# Altium PCB JTAG批量下载板-V1.6-ASCII.PcbDoc (part 4 of 14)
Units mil, origin at the board's own origin, x right, y up, seen from the top; angles counter-clockwise.
Board outline 7947.6 x 7007.76 mil, 2 copper layers (Top Layer, Bottom Layer); 207 components, 340 nets, 1329 pads, 792 vias.
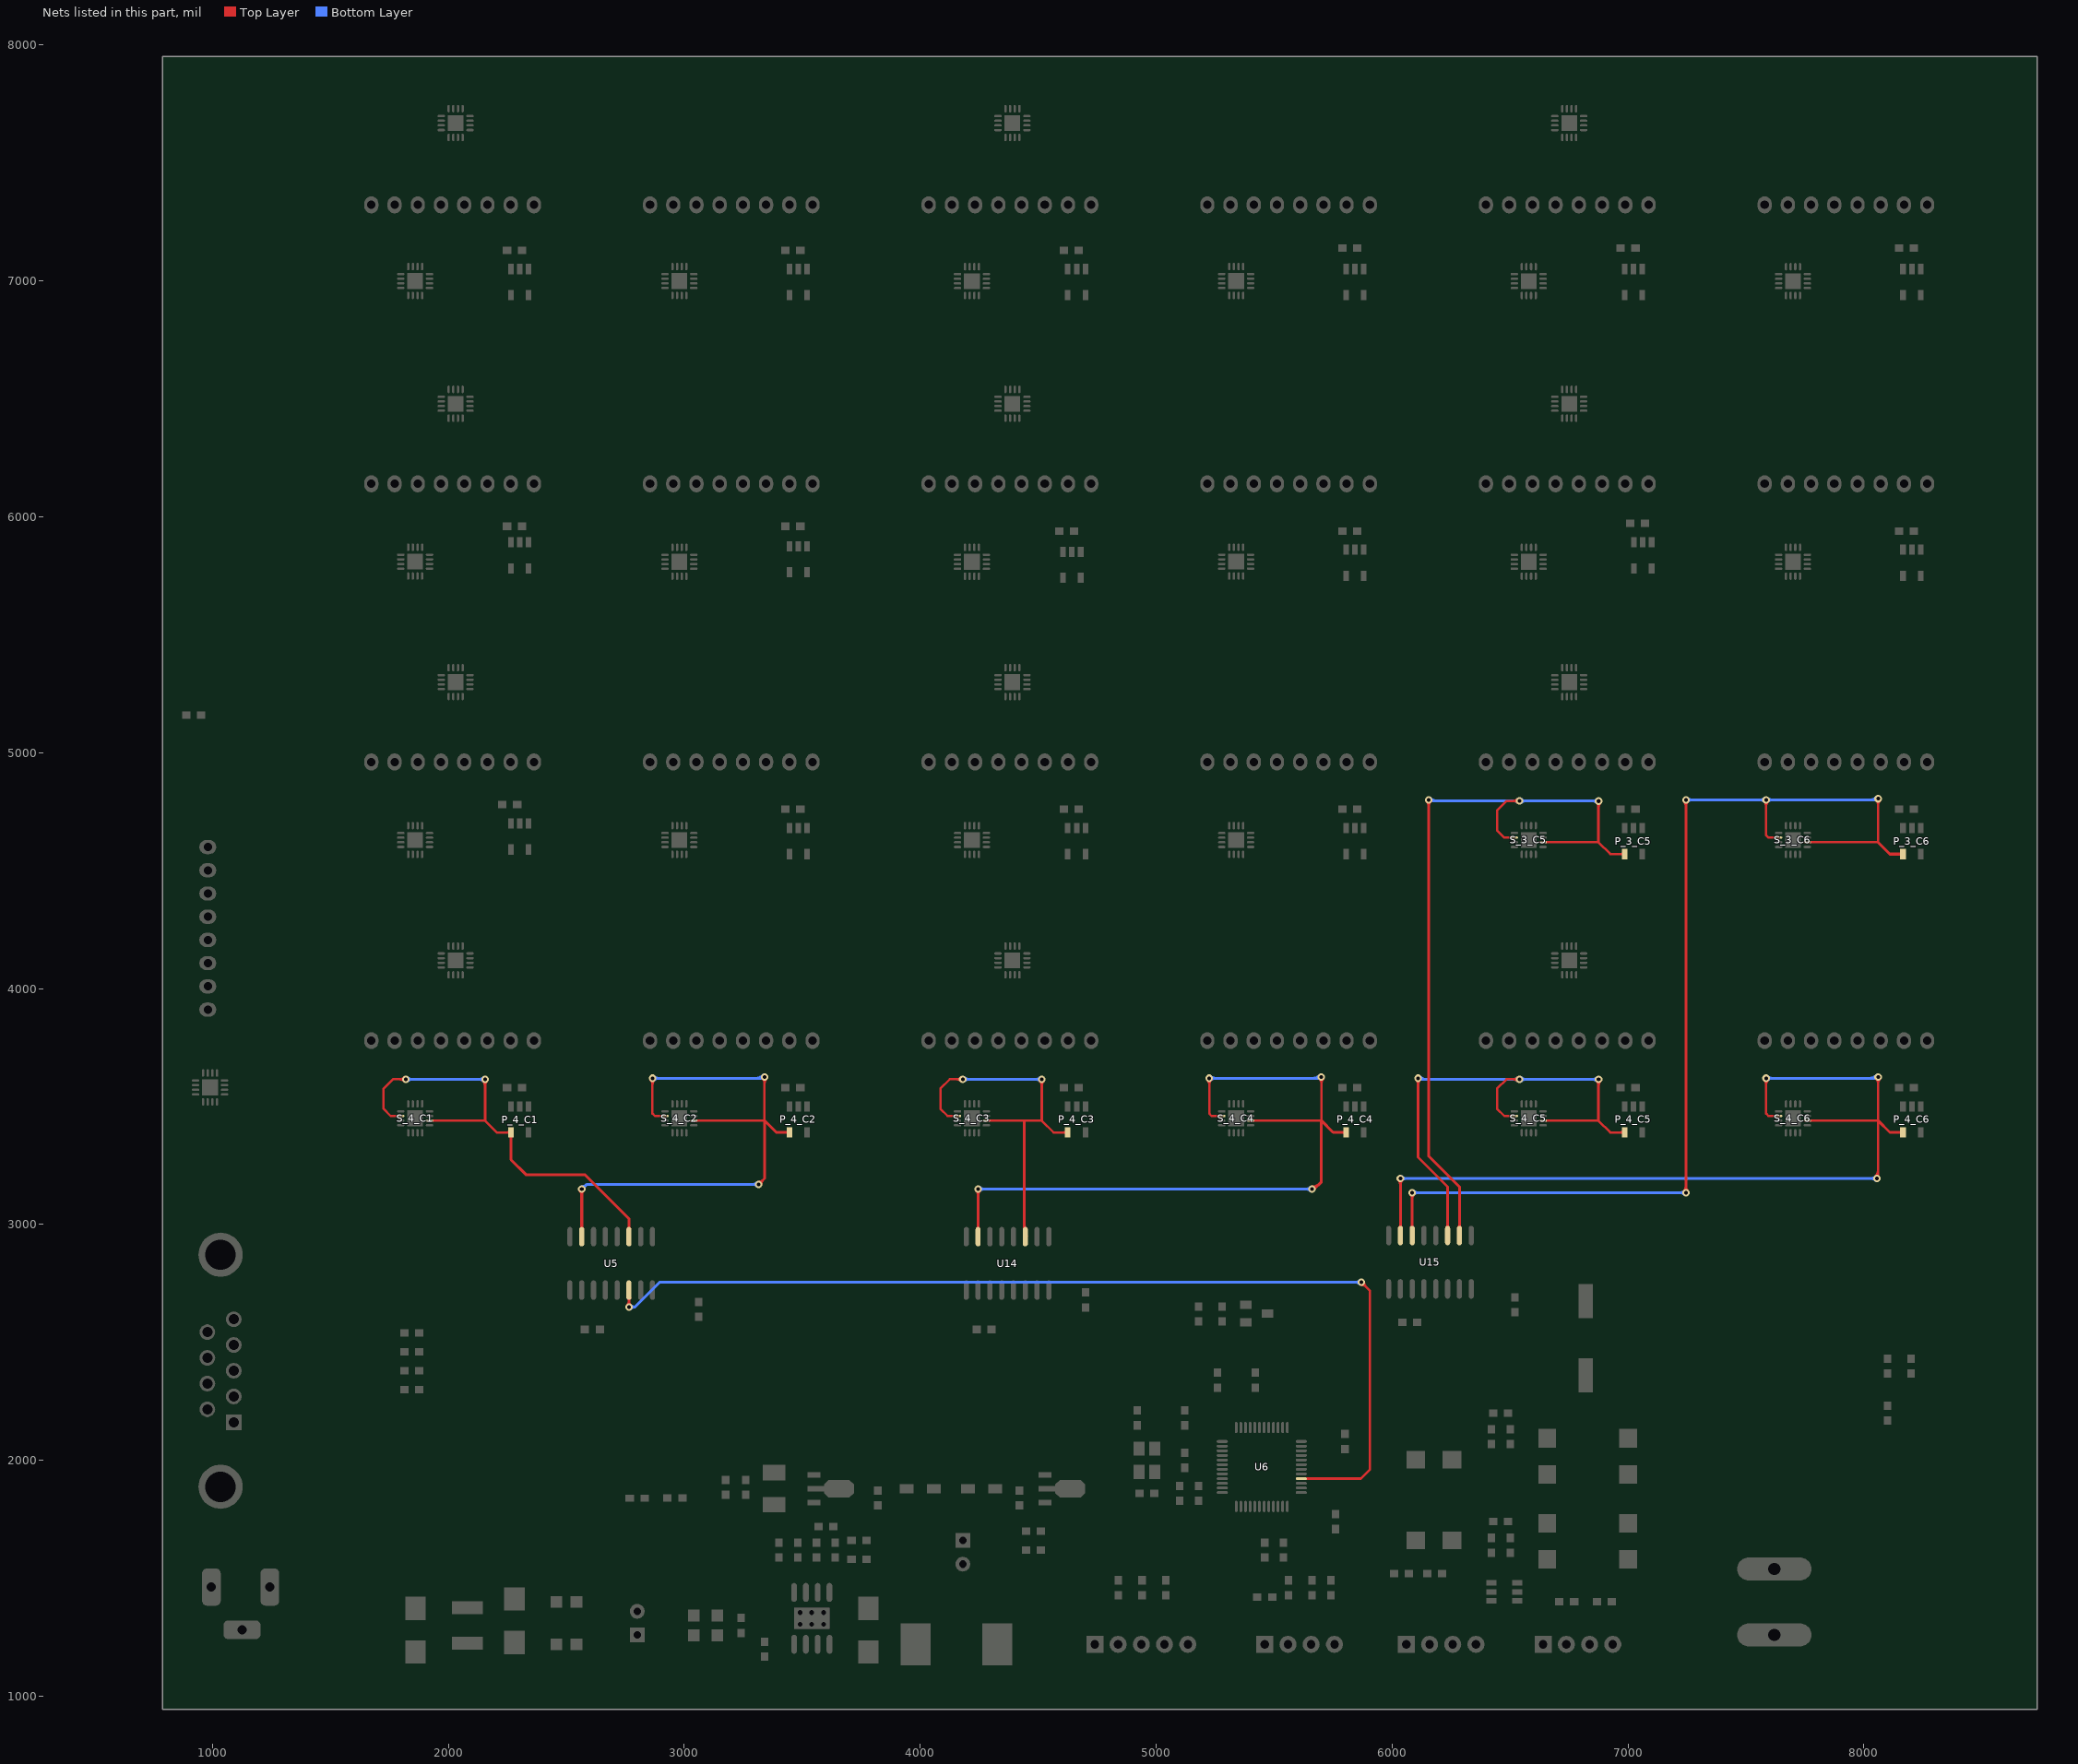
[diagram p4: the nets of this part, all layers, seen from the top]

## Via types
v1: diameter 32, hole 16, Top Layer to Bottom Layer, 721 vias
v2: diameter 50, hole 28, Top Layer to Bottom Layer, 45 vias
v3: diameter 40, hole 20, Top Layer to Bottom Layer, 26 vias

## Nets (pads, with @x,y where several pads share a name; then routed paths per layer and width w, separated by ;. In a path a pad name is that pad's centre, name@x,y a point inside that pad or via, vN(x,y) a via of type N, cw(c..) or ccw(c..) an arc to the next point about the centre after c; other vN are vias at no path point) (continued)
EN_3_C5: P_3_C5.4 S_3_C5.2 S_3_C5.10 U15.2 | length 4083.7
  Top Layer w10: S_3_C5.10@6517.95,4639.87 6475.63,4639.92 6445,4670.55 6445,4755.55 6485,4795.55 v1(6540,4795.55) ; S_3_C5.2@6640,4620.19 6874.76,4620.24 6924.69,4570.31 P_3_C5.4@6985.2,4570.31 ; 6513.44,4795.55 cw(c6513.44,4768.99) 6532.22,4787.77 ccw(c6513.44,4768.99) 6513.44,4795.55 ; 6513.44,4795.55 ccw(c6513.44,4822.11) 6532.22,4803.33 cw(c6513.44,4822.11) 6513.44,4795.55 ; 6968.75,4570.31 cw(c6968.75,4553.87) 6980.38,4565.5 ccw(c6968.75,4553.87) 6968.75,4570.31 ; 6968.75,4570.31 ccw(c6968.75,4586.76) 6980.38,4575.13 cw(c6968.75,4586.76) 6968.75,4570.31
  Top Layer w12: v1(6155,4800) 6155,3290 6285,3160 U15.2@6285,2945 ; 6875,4620.47 v1(6875,4795) ; 6155,4775.86 cw(c6179.14,4775.86) 6162.07,4792.93 ccw(c6179.14,4775.86) 6155,4775.86 ; 6155,4775.86 ccw(c6130.86,4775.86) 6147.93,4792.93 cw(c6130.86,4775.86) 6155,4775.86 ; U15.2@6281.59,2987.11 ccw(c6273.35,2995.35) 6285,2995.35 ; U15.2@6281.59,2987.11 ccw(c6273.35,2995.35) 6285,2995.35 ; U15.2@6281.59,2987.11 ccw(c6273.35,2995.35) 6285,2995.35 ; U15.2@6281.59,2987.11 ccw(c6273.35,2995.35) 6285,2995.35 ; U15.2@6281.59,2987.11 ccw(c6273.35,2995.35) 6285,2995.35 ; 6285,2995.35 ccw(c6296.65,2995.35) U15.2@6288.41,2987.11 ; 6285,2995.35 ccw(c6296.65,2995.35) U15.2@6288.41,2987.11 ; 6285,2995.35 ccw(c6296.65,2995.35) U15.2@6288.41,2987.11 ; 6285,2995.35 ccw(c6296.65,2995.35) U15.2@6288.41,2987.11 ; 6285,2995.35 ccw(c6296.65,2995.35) U15.2@6288.41,2987.11 ; 6875,4770.86 cw(c6899.14,4770.86) 6882.07,4787.93 ccw(c6899.14,4770.86) 6875,4770.86 ; 6875,4770.86 ccw(c6850.86,4770.86) 6867.93,4787.93 cw(c6850.86,4770.86) 6875,4770.86
  Bottom Layer w12: v1@6159.45,4795.55 v1@6875,4795.55 ; v1@6162.07,4807.07 ccw(c6189.88,4834.88) 6189.88,4795.55 ; 6515.86,4795.55 cw(c6515.86,4771.41) 6532.93,4788.48 ccw(c6515.86,4771.41) 6515.86,4795.55 ; 6515.86,4795.55 ccw(c6515.86,4819.69) 6532.93,4802.62 cw(c6515.86,4819.69) 6515.86,4795.55 ; 6564.14,4795.55 cw(c6564.14,4819.69) 6547.07,4802.62 ccw(c6564.14,4819.69) 6564.14,4795.55 ; 6564.14,4795.55 ccw(c6564.14,4771.41) 6547.07,4788.48 cw(c6564.14,4771.41) 6564.14,4795.55 ; 6849.53,4795.55 cw(c6849.53,4769.53) 6867.93,4787.93 ccw(c6849.53,4769.53) 6849.53,4795.55 ; 6852.19,4795.55 ccw(c6852.19,4817.81) 6867.93,4802.07 cw(c6852.19,4817.81) 6852.19,4795.55
EN_3_C6: P_3_C6.4 S_3_C6.2 S_3_C6.10 U15.6 | length 5769.2
  Top Layer w10: v1(7585,4800) 7585,4650 7595.08,4639.92 S_3_C6.10@7637.95,4639.87 ; S_3_C6.2@7760,4620.19 8060,4620.24 v1(8060,4805) ; v1@8052.22,4797.22 cw(c8033.44,4778.44) 8060,4778.44 cw(c8086.56,4778.44) v1@8067.78,4797.22 ; 7585,4773.44 cw(c7611.56,4773.44) 7592.78,4792.22 ccw(c7611.56,4773.44) 7585,4773.44 ; 7585,4773.44 ccw(c7558.44,4773.44) 7577.22,4792.22 cw(c7558.44,4773.44) 7585,4773.44
  Top Layer w12: U15.6@6085,2953.19 v1(6085,3135) ; v1(7245,3135) v1(7245,4800) ; 8060,4620.24 8060,4620 8109.69,4570.31 P_3_C6.4@8165.2,4570.31 ; v1@6077.93,3127.93 cw(c6060.86,3110.86) 6085,3110.86 ; v1@6077.93,3127.93 cw(c6060.86,3110.86) 6085,3110.86 ; v1@6077.93,3127.93 cw(c6060.86,3110.86) 6085,3110.86 ; v1@6077.93,3127.93 cw(c6060.86,3110.86) 6085,3110.86 ; v1@6077.93,3127.93 cw(c6060.86,3110.86) 6085,3110.86 ; U15.6@6081.59,2987.11 ccw(c6073.35,2995.35) 6085,2995.35 ; U15.6@6081.59,2987.11 ccw(c6073.35,2995.35) 6085,2995.35 ; U15.6@6081.59,2987.11 ccw(c6073.35,2995.35) 6085,2995.35 ; U15.6@6081.59,2987.11 ccw(c6073.35,2995.35) 6085,2995.35 ; U15.6@6081.59,2987.11 ccw(c6073.35,2995.35) 6085,2995.35 ; 6085,2995.35 ccw(c6096.65,2995.35) U15.6@6088.41,2987.11 ; 6085,2995.35 ccw(c6096.65,2995.35) U15.6@6088.41,2987.11 ; 6085,2995.35 ccw(c6096.65,2995.35) U15.6@6088.41,2987.11 ; 6085,2995.35 ccw(c6096.65,2995.35) U15.6@6088.41,2987.11 ; 6085,2995.35 ccw(c6096.65,2995.35) U15.6@6088.41,2987.11 ; 6085,3110.86 cw(c6109.14,3110.86) v1@6092.07,3127.93 ; 6085,3110.86 cw(c6109.14,3110.86) v1@6092.07,3127.93 ; 6085,3110.86 cw(c6109.14,3110.86) v1@6092.07,3127.93 ; 6085,3110.86 cw(c6109.14,3110.86) v1@6092.07,3127.93 ; 6085,3110.86 cw(c6109.14,3110.86) v1@6092.07,3127.93 ; 7245,3159.14 cw(c7220.86,3159.14) 7237.93,3142.07 ccw(c7220.86,3159.14) 7245,3159.14 ; 7245,3159.14 ccw(c7269.14,3159.14) 7252.07,3142.07 cw(c7269.14,3159.14) 7245,3159.14 ; 7245,4775.86 cw(c7269.14,4775.86) 7252.07,4792.93 ccw(c7269.14,4775.86) 7245,4775.86 ; 7245,4775.86 ccw(c7220.86,4775.86) 7237.93,4792.93 cw(c7220.86,4775.86) 7245,4775.86 ; 8151.17,4570.31 cw(c8151.17,4556.29) 8161.09,4566.21 ccw(c8151.17,4556.29) 8151.17,4570.31 ; 8151.17,4570.31 ccw(c8151.17,4584.34) 8161.09,4574.42 cw(c8151.17,4584.34) 8151.17,4570.31
  Bottom Layer w12: v1(6085,3135) v1(7245,3135) ; v1(7245,4800) 8055,4800 v1(8060,4805) ; 8023.79,4800 ccw(c8023.79,4841.21) v1@8052.93,4812.07 ; v1@6092.07,3127.93 cw(c6109.14,3110.86) 6109.14,3135 ; v1@6092.07,3127.93 cw(c6109.14,3110.86) 6109.14,3135 ; v1@6092.07,3127.93 cw(c6109.14,3110.86) 6109.14,3135 ; v1@6092.07,3127.93 cw(c6109.14,3110.86) 6109.14,3135 ; v1@6092.07,3127.93 cw(c6109.14,3110.86) 6109.14,3135 ; v1@6092.07,3142.07 ccw(c6109.14,3159.14) 6109.14,3135 ; v1@6092.07,3142.07 ccw(c6109.14,3159.14) 6109.14,3135 ; v1@6092.07,3142.07 ccw(c6109.14,3159.14) 6109.14,3135 ; v1@6092.07,3142.07 ccw(c6109.14,3159.14) 6109.14,3135 ; v1@6092.07,3142.07 ccw(c6109.14,3159.14) 6109.14,3135 ; 7220.86,3135 cw(c7220.86,3110.86) 7237.93,3127.93 ccw(c7220.86,3110.86) 7220.86,3135 ; 7220.86,3135 ccw(c7220.86,3159.14) 7237.93,3142.07 cw(c7220.86,3159.14) 7220.86,3135 ; 7269.14,4800 cw(c7269.14,4824.14) 7252.07,4807.07 ccw(c7269.14,4824.14) 7269.14,4800 ; 7269.14,4800 ccw(c7269.14,4775.86) 7252.07,4792.93 cw(c7269.14,4775.86) 7269.14,4800 ; 7560.86,4800 cw(c7560.86,4775.86) 7577.93,4792.93 ccw(c7560.86,4775.86) 7560.86,4800 ; 7560.86,4800 ccw(c7560.86,4824.14) 7577.93,4807.07 cw(c7560.86,4824.14) 7560.86,4800 ; 7609.14,4800 cw(c7609.14,4824.14) 7592.07,4807.07 ccw(c7609.14,4824.14) 7609.14,4800 ; 7609.14,4800 ccw(c7609.14,4775.86) 7592.07,4792.93 cw(c7609.14,4775.86) 7609.14,4800
EN_4_C1: P_4_C1.4 S_4_C1.2 S_4_C1.10 U5.3 | length 2450.9
  Top Layer w10: S_4_C1.10@1797.95,3459.87 1755.63,3459.92 1725,3490.55 1725,3575.55 1765,3615.55 v1(1820,3615.55) ; S_4_C1.2@1920,3440.18 2154.76,3440.24 2204.69,3390.31 P_4_C1.4@2265.2,3390.31 ; 1793.44,3615.55 cw(c1793.44,3588.99) 1812.22,3607.77 ccw(c1793.44,3588.99) 1793.44,3615.55 ; 1793.44,3615.55 ccw(c1793.44,3642.11) 1812.22,3623.33 cw(c1793.44,3642.11) 1793.44,3615.55 ; 2247.42,3390.31 cw(c2247.42,3371.99) 2260.38,3384.95 ccw(c2247.42,3371.99) 2247.42,3390.31 ; 2250.08,3390.31 ccw(c2250.08,3404.88) 2260.38,3394.58 cw(c2250.08,3404.88) 2250.08,3390.31
  Top Layer w12: 2155,3440.47 v1(2155,3615) ; P_4_C1.4@2265.2,3389.76 2265.2,3274.8 2330,3210 2580,3210 2765,3025 U5.3@2765,2948.19 ; 2155,3590.86 cw(c2179.14,3590.86) 2162.07,3607.93 ccw(c2179.14,3590.86) 2155,3590.86 ; 2155,3590.86 ccw(c2130.86,3590.86) 2147.93,3607.93 cw(c2130.86,3590.86) 2155,3590.86 ; 2265.2,3365.89 cw(c2279.23,3365.89) 2269.31,3375.81 ccw(c2279.23,3365.89) 2265.2,3365.89 ; 2265.2,3365.89 ccw(c2251.17,3365.89) 2261.09,3375.81 cw(c2251.17,3365.89) 2265.2,3365.89 ; U5.3@2761.59,2982.11 ccw(c2753.35,2990.35) 2765,2990.35 ; U5.3@2761.59,2982.11 ccw(c2753.35,2990.35) 2765,2990.35 ; U5.3@2761.59,2982.11 ccw(c2753.35,2990.35) 2765,2990.35 ; U5.3@2761.59,2982.11 ccw(c2753.35,2990.35) 2765,2990.35 ; U5.3@2761.59,2982.11 ccw(c2753.35,2990.35) 2765,2990.35 ; 2765,2990.35 ccw(c2776.65,2990.35) U5.3@2768.41,2982.11 ; 2765,2990.35 ccw(c2776.65,2990.35) U5.3@2768.41,2982.11 ; 2765,2990.35 ccw(c2776.65,2990.35) U5.3@2768.41,2982.11 ; 2765,2990.35 ccw(c2776.65,2990.35) U5.3@2768.41,2982.11 ; 2765,2990.35 ccw(c2776.65,2990.35) U5.3@2768.41,2982.11
  Bottom Layer w12: v1(1820,3615.55) v1@2155,3615.55 ; 1844.14,3615.55 cw(c1844.14,3639.69) 1827.07,3622.62 ccw(c1844.14,3639.69) 1844.14,3615.55 ; 1844.14,3615.55 ccw(c1844.14,3591.41) 1827.07,3608.48 cw(c1844.14,3591.41) 1844.14,3615.55 ; 2129.53,3615.55 cw(c2129.53,3589.53) 2147.93,3607.93 ccw(c2129.53,3589.53) 2129.53,3615.55 ; 2132.19,3615.55 ccw(c2132.19,3637.81) 2147.93,3622.07 cw(c2132.19,3637.81) 2132.19,3615.55
EN_4_C2: P_4_C2.4 S_4_C2.2 S_4_C2.10 U5.7 | length 3492.2
  Top Layer w10: v1(2865,3620) 2865,3470 2875.08,3459.92 S_4_C2.10@2917.95,3459.87 ; S_4_C2.2@3040,3440.18 3340,3440.24 v1(3340,3625) ; v1@3332.22,3617.22 cw(c3313.44,3598.44) 3340,3598.44 cw(c3366.56,3598.44) v1@3347.78,3617.22 ; 2865,3593.44 cw(c2891.56,3593.44) 2872.78,3612.22 ccw(c2891.56,3593.44) 2865,3593.44 ; 2865,3593.44 ccw(c2838.44,3593.44) 2857.22,3612.22 cw(c2838.44,3593.44) 2865,3593.44
  Top Layer w12: U5.7@2565,2948.19 v1(2565,3150) ; v1(3315,3170) 3340,3195 3340,3440.24 ; 3340,3440 3389.69,3390.31 P_4_C2.4@3445.2,3390.31 ; v1@2557.93,3142.93 cw(c2540.86,3125.86) 2565,3125.86 ; v1@2557.93,3142.93 cw(c2540.86,3125.86) 2565,3125.86 ; v1@2557.93,3142.93 cw(c2540.86,3125.86) 2565,3125.86 ; v1@2557.93,3142.93 cw(c2540.86,3125.86) 2565,3125.86 ; v1@2557.93,3142.93 cw(c2540.86,3125.86) 2565,3125.86 ; U5.7@2561.59,2982.11 ccw(c2553.35,2990.35) 2565,2990.35 ; U5.7@2561.59,2982.11 ccw(c2553.35,2990.35) 2565,2990.35 ; U5.7@2561.59,2982.11 ccw(c2553.35,2990.35) 2565,2990.35 ; U5.7@2561.59,2982.11 ccw(c2553.35,2990.35) 2565,2990.35 ; U5.7@2561.59,2982.11 ccw(c2553.35,2990.35) 2565,2990.35 ; 2565,2990.35 ccw(c2576.65,2990.35) U5.7@2568.41,2982.11 ; 2565,2990.35 ccw(c2576.65,2990.35) U5.7@2568.41,2982.11 ; 2565,2990.35 ccw(c2576.65,2990.35) U5.7@2568.41,2982.11 ; 2565,2990.35 ccw(c2576.65,2990.35) U5.7@2568.41,2982.11 ; 2565,2990.35 ccw(c2576.65,2990.35) U5.7@2568.41,2982.11 ; 2565,3125.86 cw(c2589.14,3125.86) v1@2572.07,3142.93 ; 2565,3125.86 cw(c2589.14,3125.86) v1@2572.07,3142.93 ; 2565,3125.86 cw(c2589.14,3125.86) v1@2572.07,3142.93 ; 2565,3125.86 cw(c2589.14,3125.86) v1@2572.07,3142.93 ; 2565,3125.86 cw(c2589.14,3125.86) v1@2572.07,3142.93 ; 3332.07,3187.07 cw(c3315,3204.14) 3315,3180 ccw(c3315,3204.14) 3332.07,3187.07 ; 3332.07,3187.07 ccw(c3349.14,3170) 3325,3170 cw(c3349.14,3170) 3332.07,3187.07 ; 3431.17,3390.31 cw(c3431.17,3376.29) 3441.09,3386.21 ccw(c3431.17,3376.29) 3431.17,3390.31 ; 3431.17,3390.31 ccw(c3431.17,3404.34) 3441.09,3394.42 cw(c3431.17,3404.34) 3431.17,3390.31
  Bottom Layer w12: v1(2565,3150) 2585,3170 v1(3315,3170) ; v1(2865,3620) 3335,3620 v1(3340,3625) ; 3303.79,3620 ccw(c3303.79,3661.21) v1@3332.93,3632.07 ; v1@2565,3160 ccw(c2565,3184.14) 2582.07,3167.07 ; v1@2565,3160 ccw(c2565,3184.14) 2582.07,3167.07 ; v1@2565,3160 ccw(c2565,3184.14) 2582.07,3167.07 ; v1@2565,3160 ccw(c2565,3184.14) 2582.07,3167.07 ; v1@2565,3160 ccw(c2565,3184.14) 2582.07,3167.07 ; v1@2575,3150 cw(c2599.14,3150) 2582.07,3167.07 ; v1@2575,3150 cw(c2599.14,3150) 2582.07,3167.07 ; v1@2575,3150 cw(c2599.14,3150) 2582.07,3167.07 ; v1@2575,3150 cw(c2599.14,3150) 2582.07,3167.07 ; v1@2575,3150 cw(c2599.14,3150) 2582.07,3167.07 ; 2889.14,3620 cw(c2889.14,3644.14) 2872.07,3627.07 ccw(c2889.14,3644.14) 2889.14,3620 ; 2889.14,3620 ccw(c2889.14,3595.86) 2872.07,3612.93 cw(c2889.14,3595.86) 2889.14,3620 ; 3290.86,3170 cw(c3290.86,3145.86) v1@3307.93,3162.93 ; 3290.86,3170 ccw(c3290.86,3194.14) 3307.93,3177.07 cw(c3290.86,3194.14) 3290.86,3170 ; 3290.86,3170 cw(c3290.86,3145.86) v1@3307.93,3162.93 ; 3290.86,3170 cw(c3290.86,3145.86) v1@3307.93,3162.93 ; 3290.86,3170 cw(c3290.86,3145.86) v1@3307.93,3162.93 ; 3290.86,3170 cw(c3290.86,3145.86) v1@3307.93,3162.93
EN_4_C3: P_4_C3.4 S_4_C3.2 S_4_C3.10 U14.3 | length 2127.4
  Top Layer w10: S_4_C3.10@4157.95,3459.87 4115.63,3459.92 4085,3490.55 4085,3575.55 4125,3615.55 v1(4180,3615.55) ; S_4_C3.2@4280,3440.18 4514.76,3440.24 4564.69,3390.31 P_4_C3.4@4625.2,3390.31 ; 4153.44,3615.55 cw(c4153.44,3588.99) 4172.22,3607.77 ccw(c4153.44,3588.99) 4153.44,3615.55 ; 4153.44,3615.55 ccw(c4153.44,3642.11) 4172.22,3623.33 cw(c4153.44,3642.11) 4153.44,3615.55 ; 4608.75,3390.31 cw(c4608.75,3373.87) 4620.38,3385.5 ccw(c4608.75,3373.87) 4608.75,3390.31 ; 4608.75,3390.31 ccw(c4608.75,3406.76) 4620.38,3395.13 cw(c4608.75,3406.76) 4608.75,3390.31
  Top Layer w12: 4440,3440.24 4440,2960 U14.3@4450,2950 ; 4515,3440.47 v1(4515,3615) ; 4440,3002.42 ccw(c4468.72,3002.42) U14.3@4448.41,2982.11 ; 4440,3002.42 ccw(c4468.72,3002.42) U14.3@4448.41,2982.11 ; 4440,3002.42 ccw(c4468.72,3002.42) U14.3@4448.41,2982.11 ; 4440,3002.42 ccw(c4468.72,3002.42) U14.3@4448.41,2982.11 ; 4440,3002.42 ccw(c4468.72,3002.42) U14.3@4448.41,2982.11 ; 4515,3590.86 cw(c4539.14,3590.86) 4522.07,3607.93 ccw(c4539.14,3590.86) 4515,3590.86 ; 4515,3590.86 ccw(c4490.86,3590.86) 4507.93,3607.93 cw(c4490.86,3590.86) 4515,3590.86
  Bottom Layer w12: v1(4180,3615.55) v1@4515,3615.55 ; 4204.14,3615.55 cw(c4204.14,3639.69) 4187.07,3622.62 ccw(c4204.14,3639.69) 4204.14,3615.55 ; 4204.14,3615.55 ccw(c4204.14,3591.41) 4187.07,3608.48 cw(c4204.14,3591.41) 4204.14,3615.55 ; 4489.53,3615.55 cw(c4489.53,3589.53) 4507.93,3607.93 ccw(c4489.53,3589.53) 4489.53,3615.55 ; 4492.19,3615.55 ccw(c4492.19,3637.81) 4507.93,3622.07 cw(c4492.19,3637.81) 4492.19,3615.55
EN_4_C4: P_4_C4.4 S_4_C4.2 S_4_C4.10 U14.7 | length 4091.2
  Top Layer w10: v1(5225,3620) 5225,3470 5235.08,3459.92 S_4_C4.10@5277.95,3459.87 ; S_4_C4.2@5400,3440.18 5700,3440.24 v1(5700,3625) ; v1@5692.22,3617.22 cw(c5673.44,3598.44) 5700,3598.44 cw(c5726.56,3598.44) v1@5707.78,3617.22 ; 5225,3593.44 cw(c5251.56,3593.44) 5232.78,3612.22 ccw(c5251.56,3593.44) 5225,3593.44 ; 5225,3593.44 ccw(c5198.44,3593.44) 5217.22,3612.22 cw(c5198.44,3593.44) 5225,3593.44
  Top Layer w12: U14.7@4245,2948.19 v1(4245,3150) ; v1(5660,3150) 5670,3150 5700,3180 5700,3440.24 ; v1@5660,3160 ccw(c5660,3208.28) 5694.14,3174.14 ; 5700,3440 5749.69,3390.31 P_4_C4.4@5805.2,3390.31 ; v1@4237.93,3142.93 cw(c4220.86,3125.86) 4245,3125.86 ; v1@4237.93,3142.93 cw(c4220.86,3125.86) 4245,3125.86 ; v1@4237.93,3142.93 cw(c4220.86,3125.86) 4245,3125.86 ; v1@4237.93,3142.93 cw(c4220.86,3125.86) 4245,3125.86 ; v1@4237.93,3142.93 cw(c4220.86,3125.86) 4245,3125.86 ; U14.7@4241.59,2982.11 ccw(c4233.35,2990.35) 4245,2990.35 ; U14.7@4241.59,2982.11 ccw(c4233.35,2990.35) 4245,2990.35 ; U14.7@4241.59,2982.11 ccw(c4233.35,2990.35) 4245,2990.35 ; U14.7@4241.59,2982.11 ccw(c4233.35,2990.35) 4245,2990.35 ; U14.7@4241.59,2982.11 ccw(c4233.35,2990.35) 4245,2990.35 ; 4245,2990.35 ccw(c4256.65,2990.35) U14.7@4248.41,2982.11 ; 4245,2990.35 ccw(c4256.65,2990.35) U14.7@4248.41,2982.11 ; 4245,2990.35 ccw(c4256.65,2990.35) U14.7@4248.41,2982.11 ; 4245,2990.35 ccw(c4256.65,2990.35) U14.7@4248.41,2982.11 ; 4245,2990.35 ccw(c4256.65,2990.35) U14.7@4248.41,2982.11 ; 4245,3125.86 cw(c4269.14,3125.86) v1@4252.07,3142.93 ; 4245,3125.86 cw(c4269.14,3125.86) v1@4252.07,3142.93 ; 4245,3125.86 cw(c4269.14,3125.86) v1@4252.07,3142.93 ; 4245,3125.86 cw(c4269.14,3125.86) v1@4252.07,3142.93 ; 4245,3125.86 cw(c4269.14,3125.86) v1@4252.07,3142.93 ; 5791.17,3390.31 cw(c5791.17,3376.29) 5801.09,3386.21 ccw(c5791.17,3376.29) 5791.17,3390.31 ; 5791.17,3390.31 ccw(c5791.17,3404.34) 5801.09,3394.42 cw(c5791.17,3404.34) 5791.17,3390.31
  Bottom Layer w12: v1(4245,3150) v1@5665,3150 ; v1(5225,3620) 5695,3620 v1(5700,3625) ; 5663.79,3620 ccw(c5663.79,3661.21) v1@5692.93,3632.07 ; v1@4252.07,3142.93 cw(c4269.14,3125.86) 4269.14,3150 ; v1@4252.07,3142.93 cw(c4269.14,3125.86) 4269.14,3150 ; v1@4252.07,3142.93 cw(c4269.14,3125.86) 4269.14,3150 ; v1@4252.07,3142.93 cw(c4269.14,3125.86) 4269.14,3150 ; v1@4252.07,3142.93 cw(c4269.14,3125.86) 4269.14,3150 ; v1@4252.07,3157.07 ccw(c4269.14,3174.14) 4269.14,3150 ; v1@4252.07,3157.07 ccw(c4269.14,3174.14) 4269.14,3150 ; v1@4252.07,3157.07 ccw(c4269.14,3174.14) 4269.14,3150 ; v1@4252.07,3157.07 ccw(c4269.14,3174.14) 4269.14,3150 ; v1@4252.07,3157.07 ccw(c4269.14,3174.14) 4269.14,3150 ; 5249.14,3620 cw(c5249.14,3644.14) 5232.07,3627.07 ccw(c5249.14,3644.14) 5249.14,3620 ; 5249.14,3620 ccw(c5249.14,3595.86) 5232.07,3612.93 cw(c5249.14,3595.86) 5249.14,3620 ; 5635.86,3150 cw(c5635.86,3125.86) 5652.93,3142.93 ccw(c5635.86,3125.86) 5635.86,3150 ; 5635.86,3150 ccw(c5635.86,3174.14) 5652.93,3157.07 cw(c5635.86,3174.14) 5635.86,3150
EN_4_C5: P_4_C5.4 S_4_C5.2 S_4_C5.10 U15.3 | length 2911.7
  Top Layer w10: S_4_C5.10@6517.95,3459.87 6475.63,3459.92 6445,3490.55 6445,3575.55 6485,3615.55 v1(6540,3615.55) ; S_4_C5.2@6640,3440.18 6874.76,3440.24 6924.69,3390.31 P_4_C5.4@6985.2,3390.31 ; 6513.44,3615.55 cw(c6513.44,3588.99) 6532.22,3607.77 ccw(c6513.44,3588.99) 6513.44,3615.55 ; 6513.44,3615.55 ccw(c6513.44,3642.11) 6532.22,3623.33 cw(c6513.44,3642.11) 6513.44,3615.55 ; 6968.75,3390.31 cw(c6968.75,3373.87) 6980.38,3385.5 ccw(c6968.75,3373.87) 6968.75,3390.31 ; 6968.75,3390.31 ccw(c6968.75,3406.76) 6980.38,3395.13 cw(c6968.75,3406.76) 6968.75,3390.31
  Top Layer w12: v1@6110,3625 6110,3285 6235,3160 U15.3@6235,2985 ; 6875,3440.47 v1(6875,3615) ; 6110,3595.86 cw(c6134.14,3595.86) 6117.07,3612.93 ccw(c6134.14,3595.86) 6110,3595.86 ; 6110,3595.86 ccw(c6085.86,3595.86) 6102.93,3612.93 cw(c6085.86,3595.86) 6110,3595.86 ; U15.3@6231.59,2987.11 ccw(c6223.35,2995.35) 6235,2995.35 ; U15.3@6231.59,2987.11 ccw(c6223.35,2995.35) 6235,2995.35 ; U15.3@6231.59,2987.11 ccw(c6223.35,2995.35) 6235,2995.35 ; U15.3@6231.59,2987.11 ccw(c6223.35,2995.35) 6235,2995.35 ; U15.3@6231.59,2987.11 ccw(c6223.35,2995.35) 6235,2995.35 ; 6235,2995.35 ccw(c6246.65,2995.35) U15.3@6238.41,2987.11 ; 6235,2995.35 ccw(c6246.65,2995.35) U15.3@6238.41,2987.11 ; 6235,2995.35 ccw(c6246.65,2995.35) U15.3@6238.41,2987.11 ; 6235,2995.35 ccw(c6246.65,2995.35) U15.3@6238.41,2987.11 ; 6235,2995.35 ccw(c6246.65,2995.35) U15.3@6238.41,2987.11 ; 6875,3590.86 cw(c6899.14,3590.86) 6882.07,3607.93 ccw(c6899.14,3590.86) 6875,3590.86 ; 6875,3590.86 ccw(c6850.86,3590.86) 6867.93,3607.93 cw(c6850.86,3590.86) 6875,3590.86
  Bottom Layer w12: v1@6114.45,3615.55 v1@6875,3615.55 ; v1@6117.07,3627.07 ccw(c6144.88,3654.88) 6144.88,3615.55 ; 6515.86,3615.55 cw(c6515.86,3591.41) 6532.93,3608.48 ccw(c6515.86,3591.41) 6515.86,3615.55 ; 6515.86,3615.55 ccw(c6515.86,3639.69) 6532.93,3622.62 cw(c6515.86,3639.69) 6515.86,3615.55 ; 6564.14,3615.55 cw(c6564.14,3639.69) 6547.07,3622.62 ccw(c6564.14,3639.69) 6564.14,3615.55 ; 6564.14,3615.55 ccw(c6564.14,3591.41) 6547.07,3608.48 cw(c6564.14,3591.41) 6564.14,3615.55 ; 6849.53,3615.55 cw(c6849.53,3589.53) 6867.93,3607.93 ccw(c6849.53,3589.53) 6849.53,3615.55 ; 6852.19,3615.55 ccw(c6852.19,3637.81) 6867.93,3622.07 cw(c6852.19,3637.81) 6852.19,3615.55
  other v1: 6110,3620
EN_4_C6: P_4_C6.4 S_4_C6.2 S_4_C6.10 U15.7 | length 4400.7
  Top Layer w10: v1(7585,3620) 7585,3470 7595.08,3459.92 S_4_C6.10@7637.95,3459.87 ; S_4_C6.2@7760,3440.18 8060,3440.24 v1(8060,3625) ; v1@8047.22,3202.78 ccw(c8016.37,3233.63) 8060,3233.63 ; v1@8052.22,3617.22 cw(c8033.44,3598.44) 8060,3598.44 cw(c8086.56,3598.44) v1@8067.78,3617.22 ; v1@8060,3200 8060,3440 ; 7585,3593.44 cw(c7611.56,3593.44) 7592.78,3612.22 ccw(c7611.56,3593.44) 7585,3593.44 ; 7585,3593.44 ccw(c7558.44,3593.44) 7577.22,3612.22 cw(c7558.44,3593.44) 7585,3593.44
  Top Layer w12: U15.7@6035,2980 v1(6035,3195) ; 8060,3440.24 8060,3440 8109.69,3390.31 P_4_C6.4@8165.2,3390.31 ; U15.7@6031.59,2987.11 ccw(c6023.35,2995.35) 6035,2995.35 ; U15.7@6031.59,2987.11 ccw(c6023.35,2995.35) 6035,2995.35 ; U15.7@6031.59,2987.11 ccw(c6023.35,2995.35) 6035,2995.35 ; U15.7@6031.59,2987.11 ccw(c6023.35,2995.35) 6035,2995.35 ; U15.7@6031.59,2987.11 ccw(c6023.35,2995.35) 6035,2995.35 ; 6035,2995.35 ccw(c6046.65,2995.35) U15.7@6038.41,2987.11 ; 6035,2995.35 ccw(c6046.65,2995.35) U15.7@6038.41,2987.11 ; 6035,2995.35 ccw(c6046.65,2995.35) U15.7@6038.41,2987.11 ; 6035,2995.35 ccw(c6046.65,2995.35) U15.7@6038.41,2987.11 ; 6035,2995.35 ccw(c6046.65,2995.35) U15.7@6038.41,2987.11 ; 6035,3170.86 cw(c6059.14,3170.86) 6042.07,3187.93 ccw(c6059.14,3170.86) 6035,3170.86 ; 6035,3170.86 ccw(c6010.86,3170.86) 6027.93,3187.93 cw(c6010.86,3170.86) 6035,3170.86 ; 8151.17,3390.31 cw(c8151.17,3376.29) 8161.09,3386.21 ccw(c8151.17,3376.29) 8151.17,3390.31 ; 8151.17,3390.31 ccw(c8151.17,3404.34) 8161.09,3394.42 cw(c8151.17,3404.34) 8151.17,3390.31
  Bottom Layer w12: v1(6035,3195) v1(8055,3195) ; v1(7585,3620) 8055,3620 v1(8060,3625) ; 8023.79,3620 ccw(c8023.79,3661.21) v1@8052.93,3632.07 ; 6059.14,3195 cw(c6059.14,3219.14) 6042.07,3202.07 ccw(c6059.14,3219.14) 6059.14,3195 ; 6059.14,3195 ccw(c6059.14,3170.86) 6042.07,3187.93 cw(c6059.14,3170.86) 6059.14,3195 ; 7609.14,3620 cw(c7609.14,3644.14) 7592.07,3627.07 ccw(c7609.14,3644.14) 7609.14,3620 ; 7609.14,3620 ccw(c7609.14,3595.86) 7592.07,3612.93 cw(c7609.14,3595.86) 7609.14,3620 ; 8030.86,3195 cw(c8030.86,3170.86) 8047.93,3187.93 ccw(c8030.86,3170.86) 8030.86,3195 ; 8030.86,3195 ccw(c8030.86,3219.14) 8047.93,3202.07 cw(c8030.86,3219.14) 8030.86,3195
EN_D1: U5.14 U6.28 | length 5204.6
  Top Layer w10: U6.28@5614.65,1922.52 5867.52,1922.52 5905,1960 5905,2720 v1(5870,2755) ; v1@5870,2744 cw(c5870,2717.44) 5888.78,2736.22 ; v1@5870,2744 cw(c5870,2717.44) 5888.78,2736.22 ; v1@5870,2744 cw(c5870,2717.44) 5888.78,2736.22 ; v1@5870,2744 cw(c5870,2717.44) 5888.78,2736.22 ; v1@5870,2744 cw(c5870,2717.44) 5888.78,2736.22 ; v1@5881,2755 ccw(c5907.56,2755) 5888.78,2736.22 ; v1@5881,2755 ccw(c5907.56,2755) 5888.78,2736.22 ; v1@5881,2755 ccw(c5907.56,2755) 5888.78,2736.22 ; v1@5881,2755 ccw(c5907.56,2755) 5888.78,2736.22 ; v1@5881,2755 ccw(c5907.56,2755) 5888.78,2736.22
  Top Layer w12: v1(2765,2650) U5.14@2765,2721.81 ; v1@2757.93,2657.07 ccw(c2740.86,2674.14) 2765,2674.14 ; v1@2757.93,2657.07 ccw(c2740.86,2674.14) 2765,2674.14 ; v1@2757.93,2657.07 ccw(c2740.86,2674.14) 2765,2674.14 ; v1@2757.93,2657.07 ccw(c2740.86,2674.14) 2765,2674.14 ; v1@2757.93,2657.07 ccw(c2740.86,2674.14) 2765,2674.14 ; U5.14@2761.59,2687.89 cw(c2753.35,2679.65) 2765,2679.65 ; U5.14@2761.59,2687.89 cw(c2753.35,2679.65) 2765,2679.65 ; U5.14@2761.59,2687.89 cw(c2753.35,2679.65) 2765,2679.65 ; U5.14@2761.59,2687.89 cw(c2753.35,2679.65) 2765,2679.65 ; U5.14@2761.59,2687.89 cw(c2753.35,2679.65) 2765,2679.65 ; 2765,2674.14 ccw(c2789.14,2674.14) v1@2772.07,2657.07 ; 2765,2674.14 ccw(c2789.14,2674.14) v1@2772.07,2657.07 ; 2765,2674.14 ccw(c2789.14,2674.14) v1@2772.07,2657.07 ; 2765,2674.14 ccw(c2789.14,2674.14) v1@2772.07,2657.07 ; 2765,2674.14 ccw(c2789.14,2674.14) v1@2772.07,2657.07 ; 2765,2679.65 cw(c2776.65,2679.65) U5.14@2768.41,2687.89 ; 2765,2679.65 cw(c2776.65,2679.65) U5.14@2768.41,2687.89 ; 2765,2679.65 cw(c2776.65,2679.65) U5.14@2768.41,2687.89 ; 2765,2679.65 cw(c2776.65,2679.65) U5.14@2768.41,2687.89 ; 2765,2679.65 cw(c2776.65,2679.65) U5.14@2768.41,2687.89
  Bottom Layer w12: v1(2765,2650) 2790,2650 2895,2755 v1(5870,2755) ; v1@2772.07,2642.93 cw(c2789.14,2625.86) 2789.14,2650 ; v1@2772.07,2642.93 cw(c2789.14,2625.86) 2789.14,2650 ; v1@2772.07,2642.93 cw(c2789.14,2625.86) 2789.14,2650 ; v1@2772.07,2642.93 cw(c2789.14,2625.86) 2789.14,2650 ; v1@2772.07,2642.93 cw(c2789.14,2625.86) 2789.14,2650 ; v1@2772.07,2657.07 ccw(c2789.14,2674.14) 2789.14,2650 ; v1@2772.07,2657.07 ccw(c2789.14,2674.14) 2789.14,2650 ; v1@2772.07,2657.07 ccw(c2789.14,2674.14) 2789.14,2650 ; v1@2772.07,2657.07 ccw(c2789.14,2674.14) 2789.14,2650 ; v1@2772.07,2657.07 ccw(c2789.14,2674.14) 2789.14,2650 ; 5845.86,2755 cw(c5845.86,2730.86) v1@5862.93,2747.93 ; 5845.86,2755 ccw(c5845.86,2779.14) v1@5862.93,2762.07 ; 5845.86,2755 cw(c5845.86,2730.86) v1@5862.93,2747.93 ; 5845.86,2755 ccw(c5845.86,2779.14) v1@5862.93,2762.07 ; 5845.86,2755 cw(c5845.86,2730.86) v1@5862.93,2747.93 ; 5845.86,2755 ccw(c5845.86,2779.14) v1@5862.93,2762.07 ; 5845.86,2755 cw(c5845.86,2730.86) v1@5862.93,2747.93 ; 5845.86,2755 ccw(c5845.86,2779.14) v1@5862.93,2762.07 ; 5845.86,2755 cw(c5845.86,2730.86) v1@5862.93,2747.93 ; 5845.86,2755 ccw(c5845.86,2779.14) v1@5862.93,2762.07